# Altium PCB pcb.PcbDoc (part 4 of 4)
Units mm, origin at the board's own origin, x right, y up, seen from the top; angles counter-clockwise.
Board outline 92 x 92 mm, 4 copper layers (L1, L2, L3, L4), stack 1.534 mm thick; 214 components, 261 nets, 929 pads, 637 vias.
Unrouted connection lines stored in the file: 79.
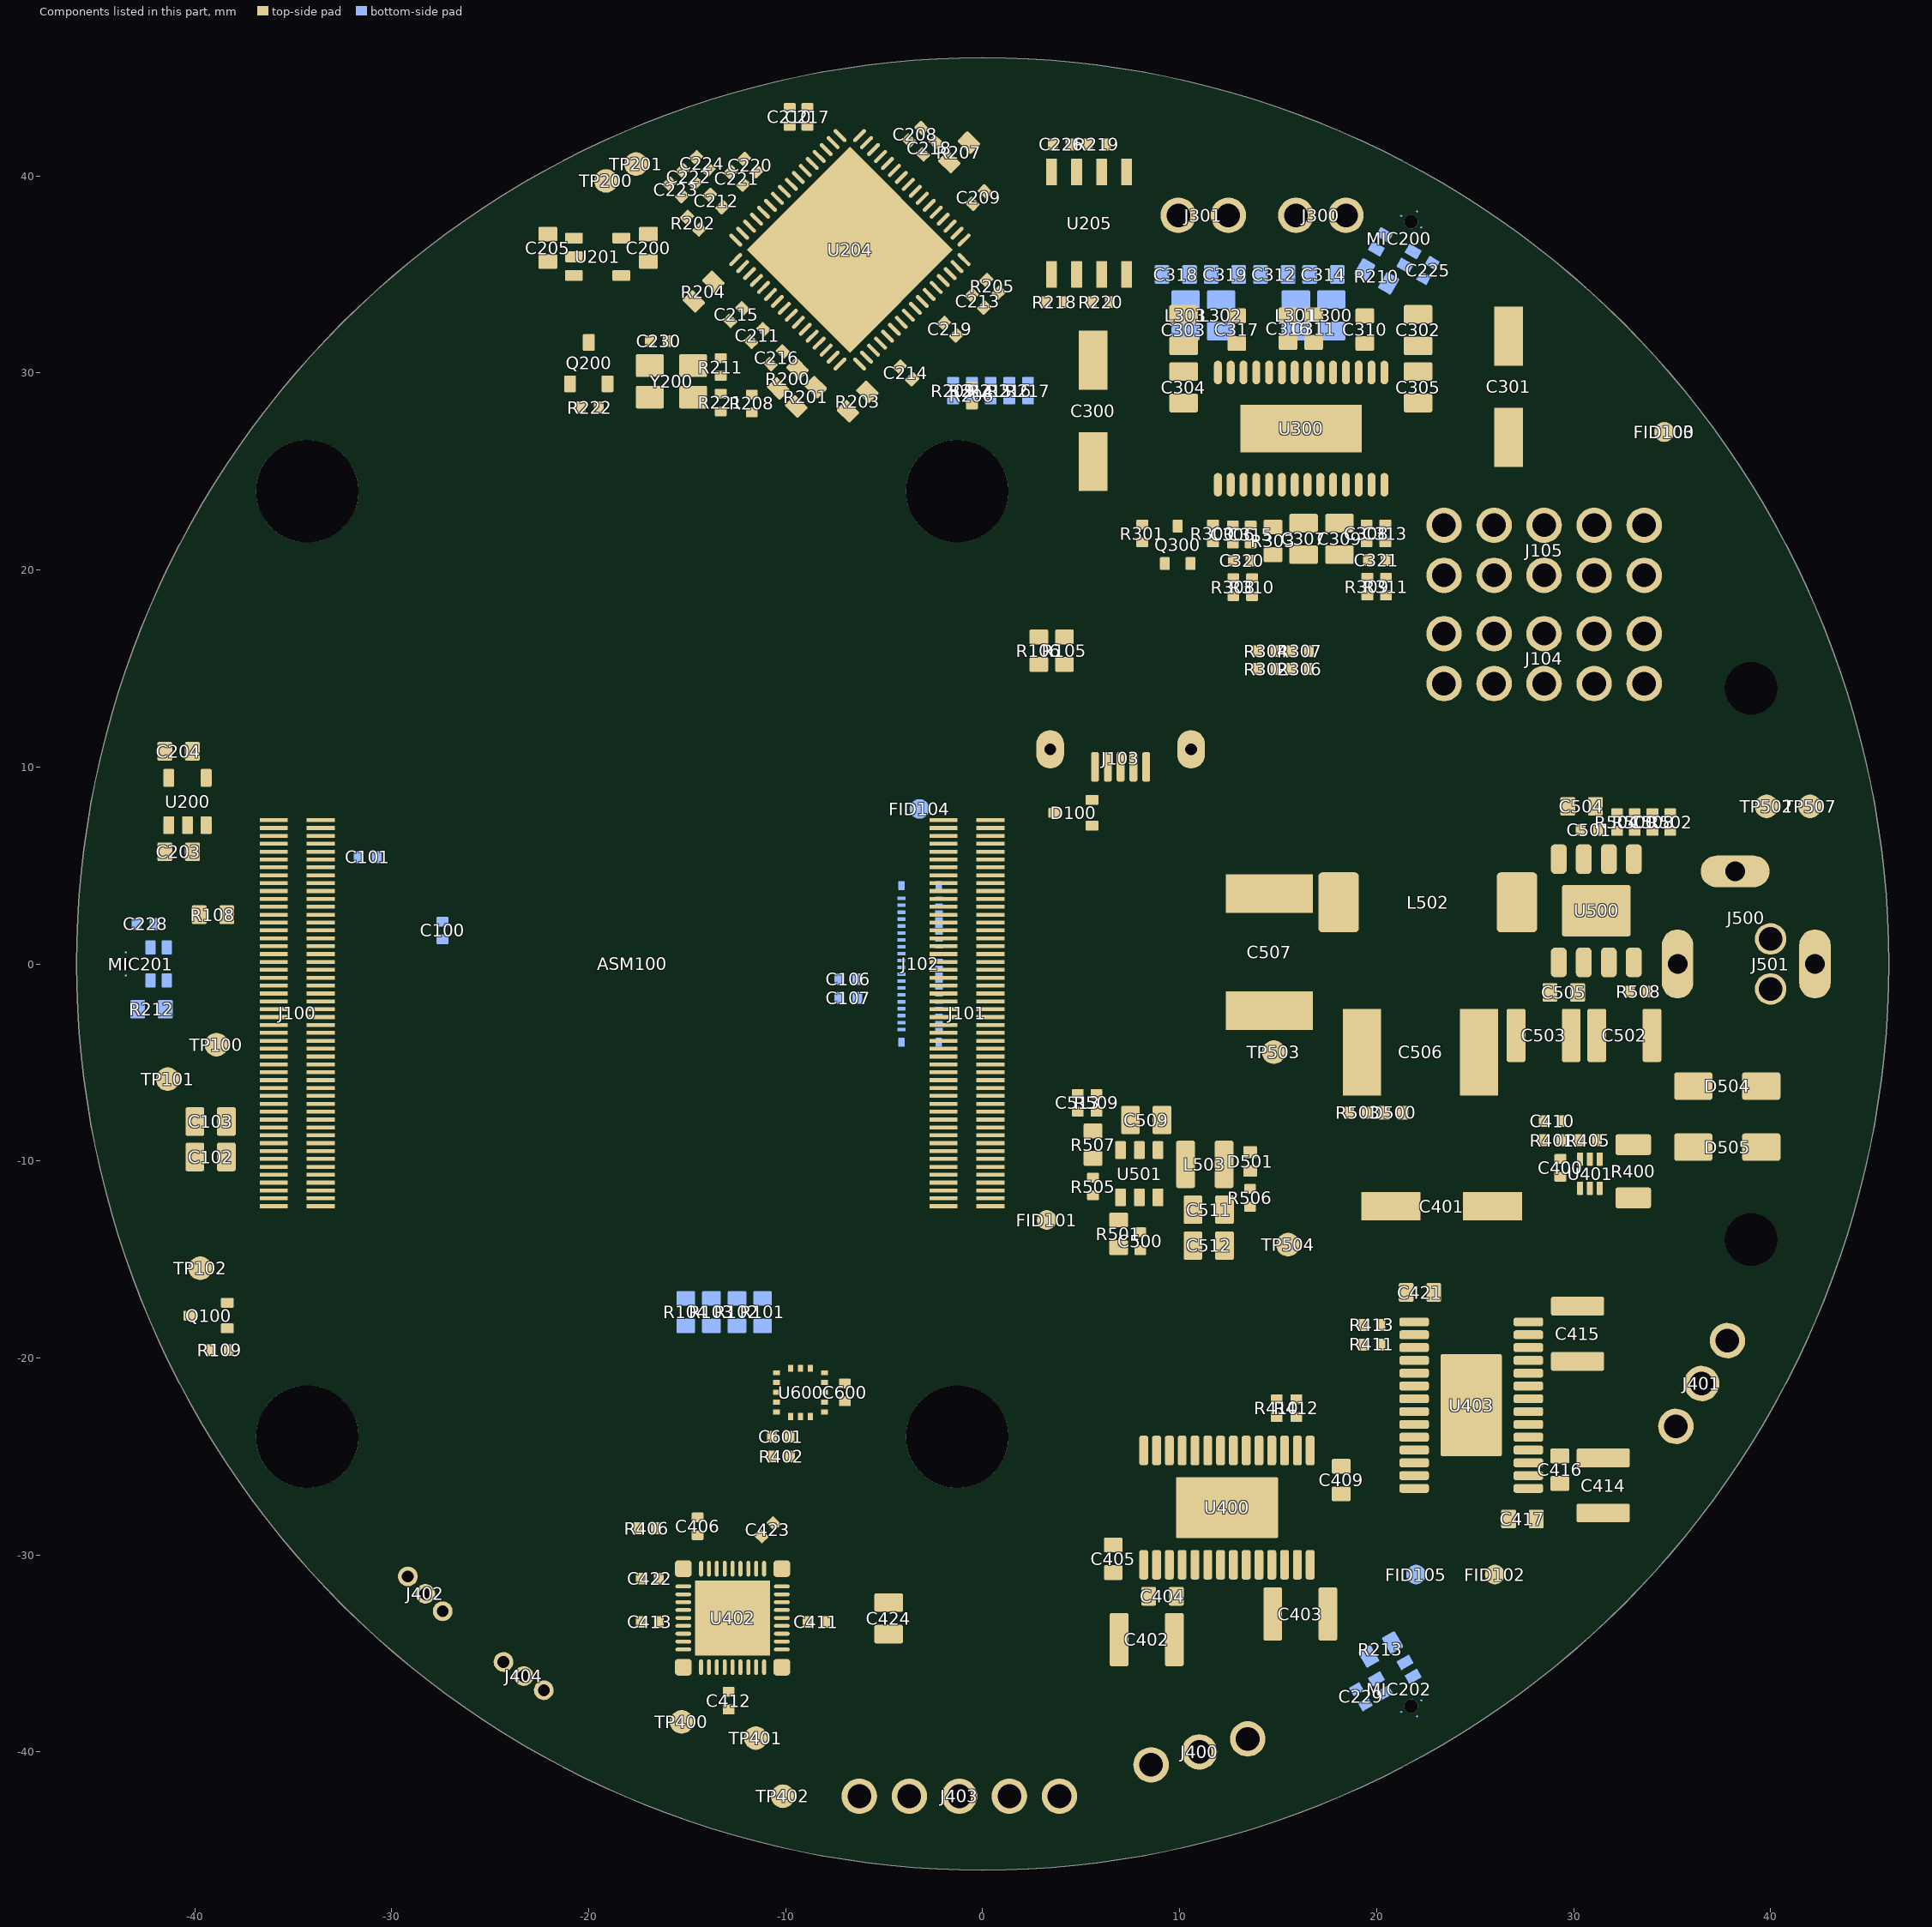
[diagram p6: the components of this part, seen from the top]

## Silkscreen, mask and mechanical layers (free items; w line width, h text height) (continued)
Fab Notes:
  circle w0.05: c39,-14 r1.35
  circle w0.05: c39,14 r1.35
  circle w0.05: c0,0 r46
  circle w0.05: c-1.3,-24 r2.6
  circle w0.05: c-34.3,24 r2.6
  circle w0.05: c-34.3,-24 r2.6
  circle w0.05: c-1.3,24 r2.6
  lines w0.05: 3.75,-4.75 ccw(c4.75,-4.75) 4.75,-5.75 6.75,-5.75 ccw(c6.75,-4.75) 7.75,-4.75 7.75,4.75 ccw(c6.75,4.75) 6.75,5.75 4.75,5.75 ccw(c4.75,4.75) 3.75,4.75 3.75,-4.75
  lines w0.381: 127,48.472 137.412,48.472 161.027,48.472 182.865,48.472 199.371,48.472 213.846,48.472 ; 127,51.52 137.412,51.52 161.027,51.52 182.865,51.52 199.371,51.52 213.846,51.52 ; 127,54.568 137.412,54.568 161.027,54.568 182.865,54.568 199.371,54.568 213.846,54.568 ; 127,57.616 137.412,57.616 161.027,57.616 182.865,57.616 199.371,57.616 213.846,57.616 ; 127,60.664 137.412,60.664 161.027,60.664 182.865,60.664 199.371,60.664 213.846,60.664 ; 127,63.712 137.412,63.712 161.027,63.712 182.865,63.712 199.371,63.712 213.846,63.712 ; 127,66.76 137.412,66.76 161.027,66.76 182.865,66.76 199.371,66.76 213.846,66.76 ; 127,69.808 137.412,69.808 161.027,69.808 182.865,69.808 199.371,69.808 213.846,69.808 ; 127,72.856 137.412,72.856 161.027,72.856 182.865,72.856 199.371,72.856 213.846,72.856 ; 127,75.904 137.412,75.904 161.027,75.904 182.865,75.904 199.371,75.904 213.846,75.904 ; 127,78.952 213.846,78.952 ; 137.412,82 137.412,45.424 ; 161.027,82 161.027,45.424 ; 182.865,82 182.865,45.424 ; 199.371,82 199.371,45.424 ; 137.412,45.424 127,45.424 127,82 213.846,82 213.846,45.424 199.371,45.424 ; 137.412,45.424 161.027,45.424 ; 161.027,45.424 182.865,45.424 ; 182.865,45.424 199.371,45.424
  text ".Project_Code" at 61.9,88.5 h2
  text "SaraAI LLC" at 61.9,85 h2
  text "Date:" at 61.7,82.5 h1
  text ".ModifiedDate" at 66.7,82.5 h1
  text "Version:" at 61.7,80.5 h1
  text ".Version" at 69.7,80.5 h1
  text "Layer" at 128.778,79.714 h1.52
  text "Name" at 139.19,79.714 h1.52
  text "Material" at 162.805,79.714 h1.52
  text "Thickness" at 184.643,79.714 h1.52
  text "Constant" at 201.149,79.714 h1.52
  text "Laminate" at 61.5,76.85 h1.5
  text "Top Overlay" at 139.19,76.666 h1.52
  text "Material:" at 61.7,75.5 h1
  text "FR4 compilant with RoHs requirements" at 70.5,75.134 h1
  text "Top Solder" at 139.19,73.618 h1.52
  text "Solder Resist" at 162.805,73.618 h1.52
  text "0,010mm" at 184.643,73.618 h1.52
  text "3.5" at 201.149,73.618 h1.52
  text "Nom./Max. thickness:" at 61.7,73.5 h1
  text "1.55mm/1.71mm" at 81.7,73.5 h1
  text "CTI:" at 61.7,71.5 h1
  text ">=175" at 65.7,71.5 h1
  text "1" at 128.778,70.57 h1.52
  text "L1" at 139.19,70.57 h1.52
  text "Copper" at 162.805,70.57 h1.52
  text "0,035mm" at 184.643,70.57 h1.52
  text "TG:" at 61.7,69.5 h1
  text ">=150" at 64.7,69.5 h1
  text "Dielectric 2" at 139.19,67.522 h1.52
  text "FR4" at 162.805,67.522 h1.52
  text "0,122mm" at 184.643,67.522 h1.52
  text "4.2" at 201.149,67.522 h1.52
  text "TD:" at 61.7,67.5 h1
  text ">=340" at 64.7,67.5 h1
  text "2" at 128.778,64.474 h1.52
  text "L2" at 139.19,64.474 h1.52
  text "Copper" at 162.805,64.474 h1.52
  text "0,035mm" at 184.643,64.474 h1.52
  text "Finish" at 61.5,62.85 h1.5
  text "Soldermask:" at 61.7,61.5 h1
  text "MATTE BLACK" at 72.7,61.5 h1
  text "Dielectric 1" at 139.19,61.426 h1.52
  text "FR-4" at 162.805,61.426 h1.52
  text "1,150mm" at 184.643,61.426 h1.52
  text "4.2" at 201.149,61.426 h1.52
  text "Silkscreen:" at 61.7,59.5 h1
  text "WHITE" at 72.7,59.5 h1
  text "3" at 128.778,58.378 h1.52
  text "L3" at 139.19,58.378 h1.52
  text "Copper" at 162.805,58.378 h1.52
  text "0,035mm" at 184.643,58.378 h1.52
  text "Cu finish:" at 61.7,57.5 h1
  text "Che Ni/Au selective (ENIG)" at 71.7,57.5 h1
  text "Dielectric 5" at 139.19,55.33 h1.52
  text "FR4" at 162.805,55.33 h1.52
  text "0,122mm" at 184.643,55.33 h1.52
  text "4.2" at 201.149,55.33 h1.52
  text "4" at 128.778,52.282 h1.52
  text "L4" at 139.19,52.282 h1.52
  text "Copper" at 162.805,52.282 h1.52
  text "0,035mm" at 184.643,52.282 h1.52
  text "The solder mask expansion equals 0mm. The manufacturer is allowed to increase the opening in accordance with production tolerances." at 61.5,50.121 h1
  text "Bottom Solder" at 139.19,49.234 h1.52
  text "Solder Resist" at 162.805,49.234 h1.52
  text "0,010mm" at 184.643,49.234 h1.52
  text "3.5" at 201.149,49.234 h1.52
  text "Bottom Overlay" at 139.19,46.186 h1.52
  text "Gerber Files Description" at 61.8,44.5 h1.5
  text "Layers related to the assembly are not included by default in the package generated for the laminate manufacturer." at 61.5,38.121 h1
  text ".GTL - Top Layer (no. 1) (copper)" at 61.65,35.667 h1
  text ".Gn  - Inner Layer (no. n) (copper)" at 61.65,33.667 h1
  text ".GBL - Bottom Layer (copper)" at 61.65,31.667 h1
  text ".GTO - Top Overlay" at 61.65,28.667 h1
  text ".GBO - Bottom Overlay" at 61.65,26.667 h1
  text ".GTS - Top Solder Mask" at 61.65,23.667 h1
  text ".GBS - Bottom Solder Mask" at 61.65,21.5 h1
  text ".GTP - Top Paste" at 61.65,18.667 h1
  text ".GBP - Bottom Paste" at 61.65,16.5 h1
  text ".GM2 - Fab Notes" at 61.65,13.5 h1
  text ".GM3 - Board outline" at 61.65,11.5 h1
  text ".GM5 - Top Testpad" at 61.65,8.667 h1
  text ".GM6 - Bottom Testpad" at 61.65,6.667 h1
  text ".GM7 - Internal Milling Outline" at 61.65,3.667 h1
  text ".GM11 - Top Assembly Information" at 61.65,0.667 h1
  text ".GM12 - Bottom Assembly Information" at 61.65,-1.333 h1
  text ".GM15 - Top Courtyard" at 61.65,-4.333 h1
  text ".GM16 - Bottom Courtyard" at 61.65,-6.333 h1
  text ".GPT - Top Pad Master" at 61.65,-9.333 h1
  text ".GPB - Bottom Pad Master" at 61.65,-11.5 h1
Designer Notes:
  lines w0.15: 4.35,7.65 11.5,7.65 11.5,10 4.35,10 4.35,7.65 ; 22.3,14.88 35,14.88 35,22.5 22.3,22.5 22.3,14.88
Outline:
  circle w0.05: c0,0 r46
  lines w0.05: 3.75,-4.75 ccw(c4.75,-4.75) 4.75,-5.75 6.75,-5.75 ccw(c6.75,-4.75) 7.75,-4.75 7.75,4.75 ccw(c6.75,4.75) 6.75,5.75 4.75,5.75 ccw(c4.75,4.75) 3.75,4.75 3.75,-4.75
Drill Drawing:
  circle w0.254: c129.153,2.863 r0.847
  lines w0.254: 128.307,5.827 128.307,6.25 128.73,6.673 128.307,7.097 128.307,7.52 128.73,7.52 129.153,7.097 129.577,7.52 130,7.52 130,7.097 129.577,6.673 130,6.25 130,5.827 129.577,5.827 129.153,6.25 128.73,5.827 128.307,5.827 ; 128.307,10.483 129.153,9.637 130,10.483 129.153,11.33 128.307,10.483 ; 128.307,13.447 130,13.447 130,15.14 128.307,15.14 128.307,13.447 ; 128.307,17.257 130,17.257 130,18.95 128.307,18.95 128.307,17.257 ; 128.307,21.49 128.73,21.49 129.153,21.067 129.577,21.49 130,21.49 129.577,21.913 130,22.337 129.577,22.337 129.153,22.76 128.73,22.337 128.307,22.337 128.73,21.913 128.307,21.49 ; 128.307,26.57 130,26.57 129.153,24.877 128.307,26.57 ; 128.307,29.11 128.73,29.11 128.73,28.687 129.577,28.687 129.577,29.11 130,29.11 130,29.957 129.577,29.957 129.577,30.38 128.73,30.38 128.73,29.957 128.307,29.957 128.307,29.11 ; 128.307,32.497 129.153,32.92 130,32.497 129.577,33.343 130,34.19 129.153,33.767 128.307,34.19 128.73,33.343 128.307,32.497 ; 128.645,13.785 129.661,13.785 129.661,14.801 128.645,14.801 128.645,13.785
  lines w0.381: 126.788,0.874 282.753,0.874 ; 126.788,35.164 282.753,35.164 ; 140.78,-2.936 140.78,38.974 ; 156.016,-2.936 156.016,38.974 ; 185.979,-2.936 185.979,38.974 ; 198.829,-2.936 198.829,38.974 ; 217.467,-2.936 217.467,38.974 ; 247.684,-2.936 247.684,38.974 ; 262.667,-2.936 262.667,38.974 ; 126.788,-2.936 282.753,-2.936 282.753,38.974 126.788,38.974 126.788,-2.936
  text "Symbol" at 129.074,36.307 h1.83
  text "Count" at 141.923,36.307 h1.83
  text "Hole Size" at 157.159,36.307 h1.83
  text "Plated" at 187.122,36.307 h1.83
  text "Hole Type" at 199.972,36.307 h1.83
  text "Drill Layer Pair" at 218.61,36.307 h1.83
  text "Via/Pad" at 248.827,36.307 h1.83
  text "Pad Shape" at 263.81,36.307 h1.83
  text "637" at 141.923,32.497 h1.52
  text "0,300mm (11,81mil)" at 157.159,32.497 h1.52
  text "PTH" at 187.122,32.497 h1.52
  text "Round" at 199.972,32.497 h1.52
  text "L1 - L4" at 218.61,32.497 h1.52
  text "Via" at 248.827,32.497 h1.52
  text "Rounded" at 263.81,32.497 h1.52
  text "6" at 141.923,28.687 h1.52
  text "0,600mm (23,62mil)" at 157.159,28.687 h1.52
  text "PTH" at 187.122,28.687 h1.52
  text "Round" at 199.972,28.687 h1.52
  text "L1 - L4" at 218.61,28.687 h1.52
  text "Pad" at 248.827,28.687 h1.52
  text "Rounded" at 263.81,28.687 h1.52
  text "2" at 141.923,24.877 h1.52
  text "0,600mm (23,62mil)" at 157.159,24.877 h1.52
  text "PTH" at 187.122,24.877 h1.52
  text "Slot" at 199.972,24.877 h1.52
  text "L1 - L4" at 218.61,24.877 h1.52
  text "Pad" at 248.827,24.877 h1.52
  text "Rounded" at 263.81,24.877 h1.52
  text "3" at 141.923,21.067 h1.52
  text "0,700mm (27,56mil)" at 157.159,21.067 h1.52
  text "NPTH" at 187.122,21.067 h1.52
  text "Round" at 199.972,21.067 h1.52
  text "L1 - L4" at 218.61,21.067 h1.52
  text "Pad" at 248.827,21.067 h1.52
  text "Rounded" at 263.81,21.067 h1.52
  text "3" at 141.923,17.257 h1.52
  text "1,000mm (39,37mil)" at 157.159,17.257 h1.52
  text "PTH" at 187.122,17.257 h1.52
  text "Slot" at 199.972,17.257 h1.52
  text "L1 - L4" at 218.61,17.257 h1.52
  text "Pad" at 248.827,17.257 h1.52
  text "Rounded" at 263.81,17.257 h1.52
  text "37" at 141.923,13.447 h1.52
  text "1,200mm (47,24mil)" at 157.159,13.447 h1.52
  text "PTH" at 187.122,13.447 h1.52
  text "Round" at 199.972,13.447 h1.52
  text "L1 - L4" at 218.61,13.447 h1.52
  text "Pad" at 248.827,13.447 h1.52
  text "Rounded" at 263.81,13.447 h1.52
  text "2" at 141.923,9.637 h1.52
  text "2,700mm (106,30mil)" at 157.159,9.637 h1.52
  text "NPTH" at 187.122,9.637 h1.52
  text "Round" at 199.972,9.637 h1.52
  text "L1 - L4" at 218.61,9.637 h1.52
  text "Pad" at 248.827,9.637 h1.52
  text "Rounded" at 263.81,9.637 h1.52
  text "2" at 141.923,5.827 h1.52
  text "5,200mm (204,72mil)" at 157.159,5.827 h1.52
  text "NPTH" at 187.122,5.827 h1.52
  text "Round" at 199.972,5.827 h1.52
  text "L1 - L4" at 218.61,5.827 h1.52
  text "Pad" at 248.827,5.827 h1.52
  text "Rounded" at 263.81,5.827 h1.52
  text "2" at 141.923,2.017 h1.52
  text "5,200mm (204,72mil)" at 157.159,2.017 h1.52
  text "PTH" at 187.122,2.017 h1.52
  text "Round" at 199.972,2.017 h1.52
  text "L1 - L4" at 218.61,2.017 h1.52
  text "Pad" at 248.827,2.017 h1.52
  text "Rounded" at 263.81,2.017 h1.52
  text "694 Total" at 141.923,-1.793 h1.52
  text "Slot definitions :" at 129.074,-5.476 h1.52
  text "Routed Path Length" at 155.304,-5.476 h1.52
  text "= Calculated from tool start centre position to tool end centre position." at 183.312,-5.476 h1.52
  text "Hole Length" at 155.304,-8.015 h1.52
  text "= Routed Path Length + Tool Size = Slot length as defined in the PCB layout" at 172.901,-8.015 h1.52

## Dimensions
-46,0 to 46,0 on Fab Notes

## Text inside footprints (layer, text, board x,y; h text height)
ASM100: Designer Notes "Connector: DF40C-100DS-0.4v / Component max height 0mm /  / Connector: DF40HC(3.0)-100DS-0.4v / Component max height 1.5mm" at -8.487,-14.887 h1 r90; Designer Notes "M2.5  / screws" at -4.3,-26.982 h1 r90
J102: Keepout "Coper prohibited area" at -3.108,2.016 h0.2 r90
TP100: Top Courtyard "GKS-100" at -39.865,-4.275 h0.05 r90; Top Courtyard "GKS-075" at -39.715,-4.275 h0.05 r90
TP101: Top Courtyard "GKS-100" at -42.34,-6.025 h0.05 r90; Top Courtyard "GKS-075" at -42.19,-6.025 h0.05 r90
TP102: Top Courtyard "GKS-075" at -39.9,-14.635 h0.05; Top Courtyard "GKS-100" at -39.9,-14.485 h0.05
TP200: Top Courtyard "GKS-100" at -19.3,40.715 h0.05; Top Courtyard "GKS-075" at -19.3,40.565 h0.05
TP201: Top Courtyard "GKS-100" at -17.775,41.565 h0.05; Top Courtyard "GKS-075" at -17.775,41.415 h0.05
TP400: Top Courtyard "GKS-075" at -15.46,-37.66 h0.05; Top Courtyard "GKS-100" at -15.46,-37.51 h0.05
TP401: Top Courtyard "GKS-075" at -11.7,-38.485 h0.05; Top Courtyard "GKS-100" at -11.7,-38.335 h0.05
TP402: Top Courtyard "GKS-100" at -10.325,-41.285 h0.05; Top Courtyard "GKS-075" at -10.325,-41.435 h0.05
TP502: Top Courtyard "GKS-075" at 39.625,8.815 h0.05; Top Courtyard "GKS-100" at 39.625,8.965 h0.05
TP503: Top Courtyard "GKS-100" at 14.6,-3.51 h0.05; Top Courtyard "GKS-075" at 14.6,-3.66 h0.05
TP504: Top Courtyard "GKS-075" at 15.325,-13.435 h0.05; Top Courtyard "GKS-100" at 15.325,-13.285 h0.05
TP507: Top Courtyard "GKS-075" at 41.825,8.815 h0.05; Top Courtyard "GKS-100" at 41.825,8.965 h0.05